# KiCad board beaglebone-ai-rev-a2.kicad_pcb (continued)
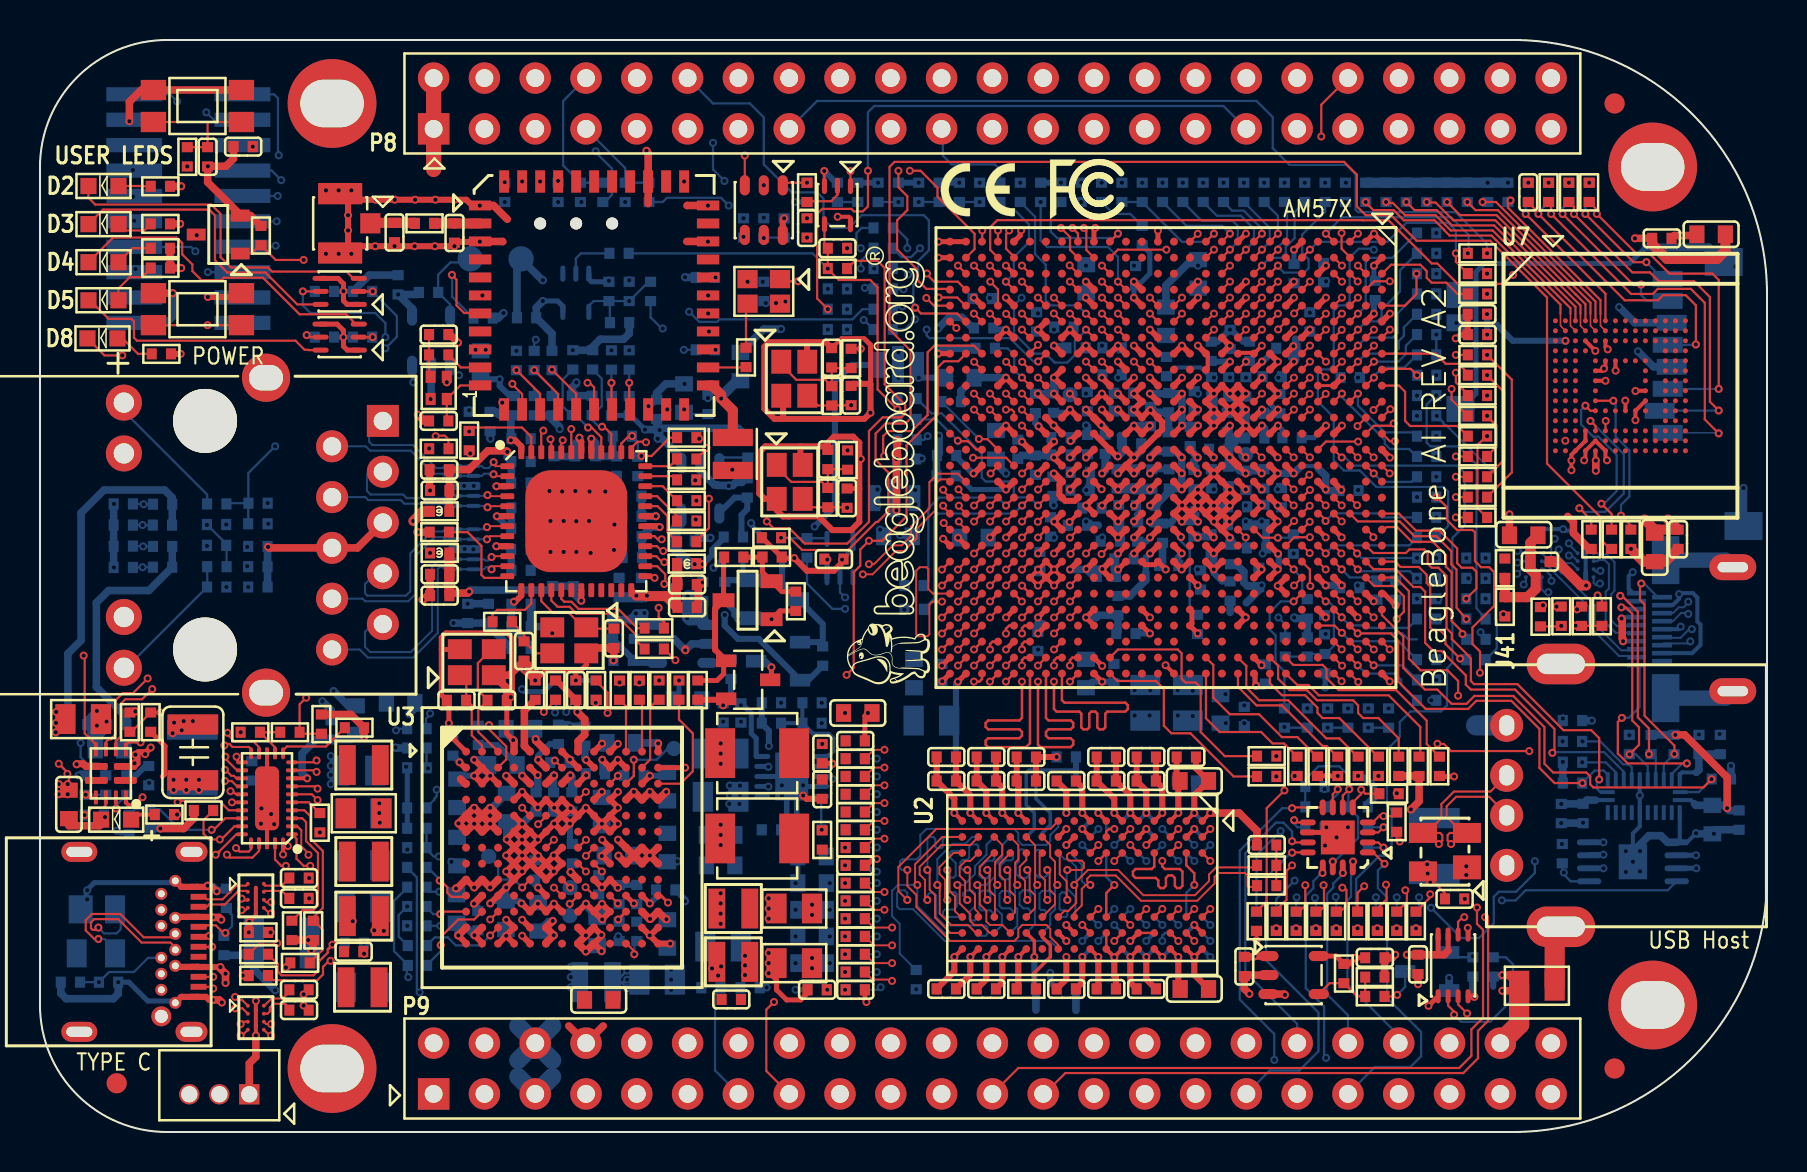
[diagram p0: board, top side]
## Routing (per net, layer and track width the routed paths; a pad name or vN(x,y) marks a point on that pad's centre or on a via; arc(x,y) is an arc through that point) (continued)
  BOTTOM w0.305: R122.1 34.56,21.87 34.16,21.48 R4.1 ; R692.1 v1(41.91,47.47) ; v1(52.3,42.53) 52.3,41.97 C161.1 ; C272.1 66.7,41.54 66.7,40.93 v1(66.7,40.93) ; C125.1 47.75,40.13 48.3,40.13 v1(48.3,40.13) ; R693.1 v1(45.97,47.47) ; R134.2 v1(51.05,47.47) ; C145.1 26.53,13.35 v1(26.53,13)
  BOTTOM w0.381: R21.1 18.84,41.88 v1(17.91,41.88) 18.61,41.18 U9.4 ; v1(23.18,40.96) 22.92,40.7 R338.1 ; v1(30.99,35.1) 30.99,34.77 v1(30.89,34.67) ; v1(30.99,35.1) 31.08,35.19 34.91,35.19 35.39,34.71 R127.1 ; v1(30.99,35.1) 30.96,35.13 ; v1(30.99,35.1) 30.89,35 v1(30.89,34.67) ; 63.91,33.2 64.29,32.82 v1(64.29,32.13) 64.35,32.08 C269.1 ; v1(30.89,34.67) 31.11,34.67 32.07,33.72 ; v1(14.68,22.05) 15.42,21.31 FB1.1 ; FB4.2 v1(76.15,20.68) ; C82.1 30.84,35.26 30.96,35.13 ; v1(25.98,35.15) 25.98,35.26 25.6,35.64 R562.1 R561.1 ; R563.1 25.6,39.93 C84.1 24.82,41.22 v1(25.15,41.55) ; v1(79.91,39.04) 80.68,38.27 J90.4 ; 30.96,35.13 v1(30.25,35.13) ; R156.1 17.81,19.2 v1(17.78,19.23) ; R80.1 v1(1.93,17.83) ; 62.96,33.2 v1(62.69,32.93) v1(61.89,32.93) ; v1(62.71,25.73) 62.76,25.68 R192.2 R169.1 ; R516.2 v1(76.1,14.4) ; C270.1 64.9,27.33 v1(64.29,27.33)
  BOTTOM w0.508: 33.1,26.54 C78.1 33.15,26.49 ; 33.1,26.54 32.82,26.82 v1(32.38,26.82) ; 33.1,26.54 32.66,26.54 v1(32.38,26.82) ; v1(32.36,25.7) 32.48,25.59 33.15,25.59 ; v1(32.36,25.7) 33.15,26.49 ; v1(32.36,25.7) 32.36,26.8 v1(32.38,26.82) ; 33.15,26.49 33.15,25.59 ; 33.15,25.59 U15.1 ; 32.07,33.72 U16.1
  vias: v1(6.86,15.88) v1(10.64,49.28) v1(19.51,28.96) v1(21.78,39.12) v1(22.29,39.12) v1(23.24,46.51) v1(29.39,6.71) v1(36.3,41.45) v1(36.8,41.45) v1(37.27,41.53) v1(38.35,44.73) v1(54.1,47.47) v1(56.13,47.47) v1(64.26,47.47) v1(69.82,28.7) v1(69.82,27.69) v1(69.82,24.64) v1(69.82,22.61) v1(69.93,25.63) v1(72.29,29.72)
VDD_5V: length 67
  TOP w0.203: v1(12.4,14.3) 12.26,14.44 U13.30 v1(12.15,13.88)
  TOP w0.254: 6.12,17.78 6.25,17.91 6.25,19.3 R59.1
  TOP w0.305: 23.31,9.83 U3.M4 v1(23.31,10.61) ; U3.J1 21.32,12.62 v1(21.71,12.23) ; U3.A9 v1(28.11,19.42) ; v1(28.08,9.05) U3.N9 28.08,9.79 v1(28.08,9.85) U3.M9 ; U3.N3 22.92,9.42 v1(23.31,9.81) U3.N4 ; U3.A10 v1(28.9,19.41)
  TOP w0.381: U3.H13 v1(30.5,13.83) ; v1(30.5,13.83) U3.G12 30.09,14.22 29.7,13.83 ; v1(30.5,13.83) 30.11,13.44 U3.H12 29.7,13.83 ; v1(30.5,13.83) 30.89,14.22 U3.G13 ; v1(31.31,17.01) 30.92,16.62 U3.D13 30.89,16.62 v1(30.5,17.01) U3.D12 30.09,16.62 v1(29.7,17.01) U3.D11 ; 26.45,5.3 P9.8 28.16,5.3 ; v1(21.71,15.41) 21.71,15.43 U3.E2 ; v1(21.71,15.41) U3.E1 ; v1(21.71,15.41) 21.7,15.41 U3.F1 21.31,15.06 v1(20.93,15.43) 21.31,15.81 U3.E1 ; v1(21.71,15.41) U3.F2 22.12,15.02 v1(22.51,15.41) ; v1(27.3,9.83) 27.69,10.22 U3.M9 ; v1(27.3,9.83) U3.M8 ; v1(27.3,9.83) 26.91,9.44 U3.N8 v1(27.3,9.03) 27.69,9.42 U3.N9 ; U3.E1 21.7,16.21 v1(21.71,16.21) U3.E2 ; v1(20.8,12.18) 20.87,12.18 U3.J1 ; U3.N6 25.31,9.45 v1(25.69,9.84) 25.31,10.22 U3.M6 v1(25.64,10.56) ; U3.E2 22.5,16.21 v1(22.51,16.21) U3.E3 22.51,15.43 v1(22.51,15.41) ; U3.E2 v1(22.51,15.41) ; U3.C5 v1(24.11,17.81) ; v1(22.51,15.41) U3.F3 ; U3.J3 v1(22.51,12.23) 22.12,12.62 U3.J2 v1(21.71,12.23) ; C489.2 60.7,8.76 v1(60.73,8.8) U40.1 ; U3.A6 25.31,19.05 24.79,19.57 v1(24.79,19.65) ; v1(28.92,13.82) 28.92,13.8 U3.H11 29.31,13.44 29.7,13.83 ; U3.L12 30.47,10.66 v1(30.51,10.66) 30.54,10.66 U3.L13 31.29,10.64 v1(31.33,10.64) ; R35.1 13.67,9.19 v1(13.56,9.09) ; v1(26.52,17.84) 26.48,17.8 26.48,17.8 U3.C7 ; v1(28.9,14.62) U3.G11 29.7,13.83 ; R41.1 v1(13.41,9.6) ; U3.C4 v1(23.31,17.81)
  SIG_L5 w0.381: v1(83.99,19.91) 83.99,19.07 82.22,17.3 82.22,14.43 v1(82.81,13.84) 82.81,13.2 v1(82.82,13.19)
  SIG_L5 w1.016: P9.7 P9.8
  PWR_L7 w0.635: 26.45,5.3 P9.8 ; P9.8 28.16,5.3 ; P9.8 26.45,3.59 ; P9.8 28.16,3.59 ; 28.16,2.76 P9.7 26.45,2.76
  BOTTOM w0.254: U48.3 v1(82.82,13.19) ; U48.2 v1(82.81,13.84)
  BOTTOM w0.305: v1(25.69,9.84) 25.12,9.84 C156.1 25.42,10.56 v1(25.64,10.56) ; R130.1 22.23,19.35 22.87,19.35 C172.1
  BOTTOM w0.381: v1(22.51,16.21) 22.61,16.21 C169.1 ; v1(26.52,17.84) 26.59,17.76 C139.1
  vias: v1(5.46,17.46) v1(6.68,17.61) v1(6.68,17.11) v1(7.32,17.61) v1(7.32,17.11) v1(7.95,17.61) v1(7.95,17.11) v1(20,8.45) v1(20,7.94) v1(20,7.43) v1(20.51,8.45) v1(20.51,7.94) v1(20.51,7.43) v1(21.02,8.45) v1(21.02,7.94) v1(21.02,7.43) v1(21.53,8.45) v1(21.53,7.94) v1(21.53,7.43) v1(28.98,22.48)
VDD_ADC: length 12.8
  TOP w0.254: U40.5 64.81,8.8 R656.2 65.48,8.41 v1(65.79,8.71) C490.1
  SIG_L5 w0.127: 57.78,4.5 P9.32
  SIG_L5 w0.254: v1(65.79,8.71) 65.79,8.69 64.49,7.39 64.49,6.76 63.02,5.28 58.62,5.28 P9.32
VDD_ADC_SEL: length 81.3
  TOP w0.203: U4.AD3 v1(48.3,43.33)
  SIG_L5 w0.127: v1(48.3,43.33) 49.43,44.45 54.1,44.45 54.47,44.82 54.47,48.37 55.37,49.28 55.5,49.4 76.15,49.4 78.36,47.19 78.36,45.64 77.72,45.01 75.79,45.01 75.02,44.23 75.02,27.03 74.72,26.73 74.72,25.11 73.33,23.72 73.33,22.71 75.18,20.85 75.18,12.75 71.65,9.22 v1(71.65,8.79)
  BOTTOM w0.127: v1(71.65,8.79) R659.1 70.71,8.74 Q17.1
VDD_CAPE_5V: length 32.6
  TOP w0.305: 4.57,18.28 4.72,18.28 4.88,18.44 4.88,18.77 v1(4.78,18.87) 4.8,18.87 4.93,19 5.31,19 v1(5.54,19.23) ; 4.57,18.28 U12.2 ; 4.57,18.28 v1(4.72,18.44)
  PWR_L7 w0.381: 23.91,2.76 P9.5 23.91,1.05 ; 23.91,5.3 P9.6 23.91,3.59
  PWR_L7 w0.635: 23.7,1.3 24.31,1.91 P9.5 24.77,2.49 24,3.25 24.77,4.01 P9.6 24.77,4.95 24.13,5.59
  BOTTOM w0.381: C34.1 4.33,20.74 2.82,22.25 2.82,26.47 3.43,27.08 5.44,27.08 R75.1 R76.1
  BOTTOM w0.889: 23.91,5.3 P9.6 ; P9.6 23.91,3.59 ; P9.6 25.62,3.59 ; P9.6 25.62,5.3 ; 25.62,2.76 P9.5 23.91,2.76
  vias: v1(5.26,18.9)
VDD_CORE: length 23.3
  TOP w0.305: U4.N13 v1(57.9,35.33) ; U4.H14 v1(61.89,33.73) ; U4.P13 v1(57.1,35.33) ; U4.T16 v1(54.71,32.13) ; U4.P11 v1(57.1,36.93) ; v1(20.98,18.49) 21.25,18.22 U3.B1 ; U4.P12 v1(57.1,36.13) ; U4.U8 v1(53.9,39.33) U4.V8 ; U4.U13 v1(54.7,35.33) U4.T13 v1(55.5,35.32) ; U4.H13 v1(61.9,35.33) ; U4.U16 v1(53.91,32.13) 53.51,32.53 U4.V16 ; U4.N10 v1(57.9,37.73) ; U4.R19 v1(55.51,29.73) ; U4.J18 60.7,30.94 v1(61.09,31.33) U4.J17 ; U4.T19 v1(54.71,29.73) ; U4.U9 v1(53.9,38.53) ; U4.R11 v1(55.5,36.93) ; U4.L7 59.1,39.72 v1(59.5,39.33) U4.L8 ; U4.AB15 v1(49.91,32.93) ; U4.R16 v1(55.51,32.13)
  BOTTOM w0.127: v1(49.91,32.93) 49.85,32.87 C138.1 49.73,32.87
  BOTTOM w0.254: v1(61.9,35.33) 62.13,35.1 C242.1
  BOTTOM w0.305: v1(57.1,36.93) 57.07,36.96 C200.1 ; C258.1 v1(20.98,18.49) ; v1(57.9,35.33) 57.85,35.27 C203.1 57.46,35.33 v1(57.1,35.33) ; C187.1 55.3,29.52 v1(55.51,29.73)
  BOTTOM w0.381: v1(57.1,35.33) v1(57.1,36.13) v1(57.1,36.93) ; v1(55.5,36.93) 56.4,36.93 C200.1 ; C190.1 55.51,35.33 v1(54.7,35.33)
  BOTTOM w0.508: C193.1 55.55,32.13 v1(55.51,32.13) v1(54.71,32.13) ; C178.1 54.72,32.18 C185.1
  vias: v1(14.54,18.8) v1(14.54,18.31) v1(14.54,17.86) v1(14.54,17.4)
VDD_DDR: length 115.4
  TOP w0.127: U2.G7 53.32,11.95 v1(53.72,12.35)
  TOP w0.152: U3.K13 31.05,11.82 v1(31.4,11.47)
  TOP w0.203: U2.C1 v1(56.92,15.95) ; v1(50.71,28.13) U4.AA21 ; v1(50.71,28.13) 50.31,28.52 U4.AB21 v1(49.91,28.13) ; v1(50.71,28.13) 51.1,27.73 U4.AA22 v1(50.71,27.33) 50.7,27.33 U4.AB22 ; v1(50.71,28.13) U4.AB22 ; U2.D9 v1(56.12,8.75) ; U4.AB22 v1(49.9,27.32) U4.AC22 v1(49.91,28.13) ; U4.AB22 50.3,27.73 v1(49.91,28.13) ; U2.R9 v1(46.52,8.75) ; U2.H9 v1(52.92,8.75) ; U2.F1 v1(53.72,15.95) ; U2.R1 v1(46.52,15.95) ; U2.B2 v1(57.72,15.15) ; U2.N9 v1(48.12,8.75) ; U2.D2 v1(55.32,14.35) ; U2.K2 v1(51.32,15.15) ; U2.A1 v1(58.52,15.95) ; U2.C9 v1(56.92,8.75) ; U2.H2 v1(52.12,15.15) ; U2.K8 v1(51.32,9.55) ; U2.E9 v1(54.52,8.75) ; U2.N1 v1(48.12,15.95) ; U2.A8 v1(57.72,10.35)
  TOP w0.254: U4.W16 v1(53.09,32.14) ; v1(39.62,18.42) 39.62,18.44 C5.1 ; U4.AH27 v1(45.1,23.32) ; C61.1 41.34,13.34 41.66,13.65 v1(41.85,13.65) ; v1(55.5,25.73) 55.5,25.73 U4.T24 ; R675.1 v1(64.9,17.81) ; U4.AB24 v1(49.91,25.73) ; U4.W27 53.11,23.32 v1(53.11,23.31) ; U4.AG20 v1(45.91,29.72) ; U4.AD26 v1(48.31,24.13) ; v1(55.5,24.93) 55.5,24.93 U4.T25 ; U4.AB25 v1(49.91,24.93) ; U4.J27 v1(61.08,23.34) ; v1(36.44,7.94) 36.58,7.94 36.58,7.86 36.83,7.61 36.83,7.11 37.34,6.6 38.04,6.6 38.38,6.95 C60.1 ; v1(70.71,17.78) 70,17.78 R672.1 ; U4.AG28 v1(45.9,22.52) ; v1(41.4,20.96) 41.25,20.8 C225.1
  TOP w0.305: U4.L20 59.08,29.33 v1(58.69,28.93) U4.M20 ; C40.1 52.92,7.24 v1(52.92,8.75) ; U4.H21 v1(61.89,28.13) 61.5,27.74 U4.H22 ; U4.H20 v1(61.91,28.92) ; v1(46.52,15.95) 46.52,16.84 C22.1 C18.1 ; v1(56.92,8.75) 56.92,7.24 C39.1 ; C230.1 48.12,7.47 v1(48.12,8.75) ; U4.G22 v1(61.89,27.31) 61.92,27.31 U4.G23 ; U4.E24 v1(64.29,25.73) ; v1(54.52,8.75) 54.52,7.47 C36.1 ; v1(46.52,8.75) 46.52,7.87 C9.1 ; U4.M21 v1(58.69,28.13) 58.71,28.13 U4.L21 ; C23.1 C213.1 50.84,18.75 v1(50.84,18.76) ; v1(56.92,15.95) 56.92,17.47 C89.1 56.84,17.73 C231.1 ; C10.1 C24.1 53.72,16.67 v1(53.72,15.95) ; C11.1 C25.1 55.32,17.07 v1(55.32,15.95) ; v1(48.12,15.95) 48.12,17.24 C19.1 C17.1
  TOP w0.381: v1(58.52,15.95) 58.52,15.95 59.97,15.95 60.86,15.06 C49.1
  SIG_L10 w0.152: v1(31.4,11.47) 31.41,11.47 31.94,12 33.15,12 33.46,12.32 35.8,12.32 v1(36.44,11.68)
  BOTTOM w0.127: U11.G7 53.32,12.75 v1(53.72,12.35)
  BOTTOM w0.203: U11.E9 v1(55.32,15.95) U11.D9 ; U2.C9 v1(56.12,8.75) ; U2.N9 v1(48.12,8.75) ; U2.K2 v1(51.32,15.15) ; U1.2 39.49,18.28 v1(39.62,18.42) ; U2.R1 v1(46.52,15.95) ; U2.C1 v1(56.92,15.95) ; U11.H2 v1(52.12,9.55) ; U11.H9 v1(52.12,15.15) ; U11.D2 v1(55.32,9.55) ; U11.A8 v1(57.72,15.15) ; U11.B2 v1(57.72,10.35) ; U11.A1 v1(58.52,8.75) ; U2.N1 v1(48.12,15.95) ; U2.K8 v1(51.32,9.55) ; U2.R9 v1(46.52,8.75) ; U11.F1 v1(54.52,8.75)
  BOTTOM w0.305: v1(55.32,15.95) 55.32,17.07 C25.1 ; C36.1 54.52,7.47 v1(54.52,8.75) ; C99.1 v1(50.84,18.76) ; v1(61.89,28.13) 61.95,28.19 61.95,28.88 v1(61.91,28.92) ; C9.1 46.52,7.87 v1(46.52,8.75) ; C462.1 R2.1 36.09,20.42 36.45,20.07 v1(36.45,19.3) ; C143.1 50.52,7.47 v1(50.52,7.95) ; v1(56.92,15.95) 56.92,17.47 C100.1 ; v1(56.92,8.75) 56.92,7.24 C39.1 ; v1(53.72,15.95) 53.72,16.67 C24.1 ; v1(52.92,8.75) 52.92,7.24 C40.1 ; v1(55.5,24.93) 55.5,24.92 C119.1 ; 45.8,20.57 45.8,22.43 v1(45.9,22.52) ; 45.8,20.57 C26.1 ; 45.8,20.57 C18.1 C22.1 46.52,16.84 v1(46.52,15.95) ; C224.1 59.11,27.53 58.69,27.95 v1(58.69,28.13) ; v1(48.12,8.75) 48.12,7.47 C230.1 ; C19.1 48.12,17.24 v1(48.12,15.95)
  BOTTOM w0.381: 50.13,25.43 C131.1 49.9,25.44 ; C211.1 58.69,28.8 v1(58.69,28.13)
  vias: v1(36.44,11.18) v1(36.44,10.67) v1(36.44,8.95) v1(36.44,8.45) v1(61.82,17.78) v1(66.93,17.81)
VDD_DIMM: length 5.3
  BOTTOM w0.305: 72.36,40.38 72.36,39.88 v1(72.37,39.88) ; 72.36,40.38 72.83,40.38 73.64,39.57 v1(76.28,39.57) ; 72.36,40.38 v1(72.36,40.9) 72.36,40.91
VDD_DSPEVE: length 24.3
  TOP w0.305: v1(59.5,36.93) U4.K10 59.9,37.32 v1(60.3,36.93) U4.K11 ; v1(59.5,36.93) U4.K11 ; v1(59.5,36.93) 59.1,37.32 U4.L10 v1(58.7,36.93) ; v1(58.7,36.93) U4.M11 v1(58.7,36.13) ; v1(58.7,36.93) 58.3,37.32 U4.M10 ; U4.K11 59.9,36.52 v1(60.3,36.13) U4.K12 ; U4.K11 v1(59.5,36.13) ; v1(59.5,36.13) 59.1,36.52 U4.L11 ; v1(59.5,36.13) U4.L12 ; v1(59.5,36.13) U4.K12 ; U4.K12 v1(60.3,35.33) ; U4.L12 v1(58.7,35.33) ; U4.L12 v1(58.7,36.13) ; v1(58.7,36.13) U4.M12 58.3,35.72 v1(58.7,35.33) ; v1(60.3,35.33) U4.K13 ; v1(60.3,35.33) U4.J13 v1(61.1,35.33) ; v1(58.7,35.33) U4.M13
  TOP w0.381: U3.K2 v1(21.7,11.42)
  SIG_L10 w0.152: v1(15.64,10.54) 16.39,11.29 17.36,11.29 18.01,11.94 19.24,11.94 19.76,11.42 v1(21.7,11.42)
  BOTTOM w0.305: v1(21.7,11.42) 21.89,11.23 C256.1
  BOTTOM w0.381: v1(61.1,35.33) 61.23,35.2 C234.1 ; v1(58.7,35.33) v1(58.7,36.13) 58.7,36.65 C215.1 ; C233.1 60.3,35.87 v1(60.3,35.33)
  vias: v1(14.54,14.29) v1(14.54,13.75) v1(14.55,13.26) v1(14.53,12.27) v1(14.54,11.75) v1(14.6,10.36)
VDD_EMMC: length 20.1
  TOP w0.203: v1(76.58,33.1) v1(76.58,33.58) 76.58,33.87 U7.P3 U7.N4 U7.M4 ; v1(77.8,33.58) 77.78,33.6 U7.P5 ; v1(78.4,39.14) 78.28,39.26 U7.C6 ; U4.K8 59.94,38.96 60.67,38.96 U4.J8 v1(61.1,39.32)
  TOP w0.381: 76.39,30.79 76.68,30.5 76.68,29.95 77.47,29.16 R188.1 ; v1(77.8,33.58) v1(77.8,33.07)
  TOP w0.508: C282.1 74.52,29.46 C285.1 74.52,28.15 74.79,27.87 74.79,27.16 74.38,26.75 R702.2 R703.2
  BOTTOM w0.508: v1(73.41,47.47) v1(72.39,47.47) R176.1 R185.1 R177.1 R186.1 R178.1 R179.1
  vias: v1(63.5,40.97) v1(75.55,31.64) v1(76.06,31.64) v1(76.57,31.64)
VDD_GPU: length 20.8
  TOP w0.305: v1(24.91,12.22) 25.31,11.83 U3.K6 ; U4.V11 v1(53.1,36.93) U4.W11 ; U4.W10 v1(52.3,37.73) ; v1(53.9,33.78) 53.87,33.81 53.82,33.81 U4.V14 U4.W13 ; U4.U12 v1(53.9,36.13) ; U4.V10 v1(53.1,37.73) ; U4.U11 v1(53.9,36.93)
  SIG_L8 w0.127: v1(14.54,8) 18.01,8 18.92,8.92 24.03,8.92 24.49,9.37 24.49,11.8 v1(24.91,12.22)
  BOTTOM w0.305: C238.1 24.74,12.39 v1(24.91,12.22)
  BOTTOM w0.381: v1(53.9,33.78) 54.1,33.99 C171.1 54.1,34.75 54.03,34.82
  vias: v1(14.54,7.49) v1(14.54,6.99) v1(14.54,6.48)
VDD_IVA: length 10.9
  TOP w0.152: U3.L11 29.3,11.02 v1(28.91,10.63)
  TOP w0.305: U4.U18 v1(53.91,30.53) 53.51,30.93 U4.V18 ; U4.U19 v1(53.91,29.73) 53.51,30.13 U4.V19
  SIG_L10 w0.152: v1(35.26,8.33) 35.2,8.33 33.86,9.68 32.87,9.68 32.32,10.23 29.31,10.23 v1(28.91,10.63)
  BOTTOM w0.381: v1(53.91,30.53) v1(53.91,29.73)
  vias: v1(35.26,8.81) v1(35.26,7.85)
VDD_MPU: length 27.7
  TOP w0.254: U3.B13 v1(32.26,18.22)
  TOP w0.305: U4.M18 v1(58.7,30.53) ; U4.M18 v1(57.9,31.32) ; U4.M18 v1(58.7,31.33) ; v1(58.7,30.53) U4.L18 ; v1(58.7,30.52) U4.L19 ; U4.M17 v1(57.9,32.13) ; U4.M17 v1(58.7,31.33) ; U4.M17 57.9,31.33 v1(57.9,31.33) ; v1(57.9,32.13) U4.M16 v1(58.7,32.93) ; v1(57.9,32.13) U4.N17 ; U4.L18 59.1,30.93 v1(59.5,31.32) ; U4.L18 v1(58.7,31.33) ; U4.L18 59.46,30.57 59.46,30.48 ; v1(58.7,31.33) U4.L17 ; U4.K18 59.46,30.48 ; 59.46,30.48 59.44,30.48 59.1,30.15 U4.L19 ; v1(58.7,32.93) U4.L16 v1(59.5,32.13) ; v1(58.7,32.93) U4.M15 ; v1(58.7,32.93) U4.L15 ; v1(59.5,32.13) U4.L17 ; v1(59.5,32.12) U4.K17 v1(59.5,31.33) ; U4.L17 v1(59.5,31.33) ; U4.P17 57.09,31.33 v1(57.11,31.33) U4.N17 ; U4.N18 57.5,30.93 v1(57.9,31.32) ; U4.N18 v1(57.9,30.53) ; U4.N18 57.1,31.33 57.1,31.33 U4.P18 v1(57.1,30.53) U4.N18 ; U4.R18 v1(55.5,30.53) ; v1(57.9,31.33) U4.N17 ; U4.L19 v1(59.5,29.73)
  SIG_L10 w0.254: v1(32.26,18.22) 33.16,17.32 v1(34.49,17.32)
  BOTTOM w0.381: 58.88,31.19 58.95,31.26 C221.1 ; C112.1 59.54,29.69 v1(59.5,29.73) ; v1(57.9,30.53) v1(57.1,30.53) ; v1(55.5,30.53) 55.6,30.43 C197.1 56.49,30.43 56.62,30.56 ; 57.66,31.14 57.7,31.1 C206.1
  vias: v1(34.49,16.87) v1(34.47,16.41) v1(35,17.32) v1(35,16.87) v1(34.98,16.41) v1(54.74,20.83) v1(55.49,20.83) v1(56.9,20.83) v1(57.65,20.8) v1(59.3,20.45) v1(59.49,30.53) v1(60.22,20.45)
VDD_RTC: length 2.9
  TOP w0.381: U3.A5 24.22,19.3 24.22,21.07 C43.1
VDD_VREF_IN: length 5.3
  BOTTOM w0.203: U1.1 39.35,18.78 39.42,18.85 39.47,18.85 39.67,19.05 39.67,19.69 39.45,19.91 38.66,19.91 R1.1 ; R2.2 R1.1 ; R1.1 C1.1
3220_ID: length 72
  TOP w0.114: v1(43.5,48.07) 44.03,48.07 44.88,47.22 44.88,46.77 46.74,44.92 46.74,44.16 U4.AG2 ; U13.27 10.95,14.05 10.62,13.72 9.49,13.72 v1(9.35,13.87) ; v1(13.31,21.72) 12.98,21.39 R47.1 13.06,19.92 R51.2
  INT_L3 w0.102: v1(43.5,48.07) 42.35,46.93 31.18,46.93 28.88,44.63 25.91,44.63 21.41,40.13 21.41,37.77 20.37,36.73 20.37,28.63 18.16,26.42 16.18,26.42 15.09,25.32 14.35,25.32 13.82,24.79 13.82,22.63 13.31,22.12 v1(13.31,21.72) 13.31,21.48 10.46,18.63 10.46,16.1 10.12,15.75 8.33,15.75 8,15.42 8,14.81 8.56,14.25 8.97,14.25 v1(9.35,13.87)
/ADC_TF_Debug/UART1_RX: length 75.2
  TOP w0.114: U46.2 70.41,6.32 70.71,6.02 v1(70.71,5.87)
  INT_L3 w0.102: J92.2 9.91,0.94 70.92,0.94 71.35,1.37 71.35,5.28 70.82,5.82 70.76,5.82 v1(70.71,5.87)
  BOTTOM w0.114: R708.1 73.3,8.74 73.66,8.38 73.66,6.65 72.52,5.51 71.07,5.51 v1(70.71,5.87)
/ADC_TF_Debug/UART1_TX: length 70.6
  TOP w0.114: v1(71.36,5.93) 70.92,6.38 70.92,6.78 U46.3
  INT_L3 w0.102: J92.3 8.64,0.71 71.02,0.71 71.58,1.27 71.58,5.72 v1(71.36,5.93)
/AM572x Interfaces/AM572x Interface 1/MII0_TX_CLK: length 11.7
  TOP w0.114: U4.W9 v1(52.3,38.53)
  SIG_L10 w0.102: v1(43.75,40.64) 46.41,40.64 46.52,40.53 50.08,40.53 50.32,40.29 50.32,40.01 50.59,39.73 50.87,39.73 51.1,39.5 51.1,39.14 51.32,38.92 51.66,38.92 52.06,38.53 v1(52.3,38.53)
  BOTTOM w0.114: R97.1 43.24,40.13 v1(43.75,40.64)
/AM572x Interfaces/AM572x Interface 1/MII0_TX_EN: length 13.1
  TOP w0.114: U4.V9 v1(53.1,38.53)
  SIG_L10 w0.102: v1(53.1,38.53) 52.86,38.53 52.45,38.93 52.11,38.93 51.89,39.15 51.89,39.47 51.63,39.73 51.39,39.73 51.13,39.99 51.13,40.3 50.92,40.51 50.61,40.51 50.33,40.79 50.33,41.12 50.1,41.35 44.15,41.35 43.87,41.63 43.47,41.63 v1(43.13,41.29)
  BOTTOM w0.114: v1(43.13,41.29) 42.74,41.29 42.65,41.2 R96.1
/AM572x Interfaces/AM572x Interface 1/MII0_TXD0: length 14.6
  TOP w0.114: U4.U6 v1(53.9,40.93)
  SIG_L10 w0.102: v1(43.37,44.2) 43.75,44.58 44.32,44.58 44.77,44.13 45.37,44.13 45.59,43.91 50,43.91 51.03,42.88 51.68,42.88 51.92,42.64 51.92,42.31 52.08,42.15 52.38,42.15 52.67,41.86 52.67,41.55 52.89,41.33 53.51,41.33 53.9,40.94 v1(53.9,40.93)
  BOTTOM w0.114: R92.1 42.71,45.27 42.74,45.27 43.37,44.64 v1(43.37,44.2)
/AM572x Interfaces/AM572x Interface 1/MII0_TXD1: length 13.3
  TOP w0.114: U4.V6 v1(53.1,40.93)
  SIG_L10 w0.102: v1(44.01,44.2) 44.01,43.98 44.65,43.33 45.24,43.33 45.59,43.68 49.77,43.68 50.65,42.8 51.32,42.13 51.61,42.13 51.89,41.85 51.89,41.56 52.1,41.35 52.4,41.35 52.83,40.93 v1(53.1,40.93)
  BOTTOM w0.114: R93.1 43.09,43.75 43.56,43.75 v1(44.01,44.2)
/AM572x Interfaces/AM572x Interface 1/MII0_TXD2: length 13.8
  TOP w0.114: U4.U7 v1(53.9,40.13)
  SIG_L10 w0.102: v1(43.41,42.88) 43.73,42.55 45.93,42.55 46.35,42.97 49.97,42.97 51.06,41.88 51.06,41.6 51.32,41.34 51.61,41.34 51.9,41.05 51.9,40.78 52.16,40.52 53.51,40.52 v1(53.9,40.13)
  BOTTOM w0.114: R94.1 43.1,43.18 v1(43.41,42.88)
/AM572x Interfaces/AM572x Interface 1/MII0_TXD3: length 12.7
  TOP w0.114: U4.V7 v1(53.1,40.13)
  SIG_L10 w0.102: v1(43.18,42.14) 50.05,42.14 50.26,41.93 50.26,41.54 50.51,41.29 50.86,41.29 51.13,41.02 51.13,40.76 51.33,40.56 51.59,40.56 51.86,40.29 51.86,40.01 52.12,39.75 52.44,39.75 52.82,40.13 v1(53.1,40.13)
  BOTTOM w0.114: v1(43.18,42.14) 42.67,42.14 R95.1
/AM572x Interfaces/AM572x Interface 1/PR2_MII0_RXD2: length 8.5
  TOP w0.114: v1(71.13,24.9) 71.12,24.99 71.12,25.02 70.59,25.55 70.59,27.99 70.31,28.27 70.31,28.85 69.65,29.51 68.61,29.51 67.87,30.25 67.34,30.25 67.21,30.13 U4.A19
  BOTTOM w0.114: R608.1 71.32,24.71 v1(71.13,24.9)
/AM572x SYSTEM/MR_L: length 29.8
  TOP w0.114: v1(35.24,48.83) 35.24,47.35 U10.3
  SIG_L10 w0.102: v1(35.24,48.83) 34.85,48.44 11.07,48.44 10.81,48.7 7.75,48.7 7.37,48.32 v1(7.37,48.29)
/AM572x SYSTEM/OSC0_IN: length 11.5
  TOP w0.114: U4.AE15 47.9,33.3 v1(47.54,32.93) ; v1(40.36,31.22) 40.34,31.24 R11.2 38.56,31.24 X7.3
  INT_L3 w0.102: v1(47.54,32.93) 47.14,32.54 46.05,32.54 45.57,33.02 44.63,33.02 44.15,32.54 43.69,32.54 42.1,30.95 41.24,30.95 40.97,31.22 v1(40.36,31.22)
/AM572x SYSTEM/OSC0_OUT: length 9.1
  TOP w0.114: v1(46.66,33.72) 48.31,33.72 U4.AD15
  SIG_L5 w0.102: v1(46.66,33.72) 44.72,33.72 44.28,34.16 42.82,34.16 42.68,34.02 42.14,34.57 41.43,34.57 40.94,34.09 v1(40.39,34.09)
/AM572x SYSTEM/OSC1_IN: length 13.1
  TOP w0.114: U4.AC15 v1(49.11,32.93) ; X8.3 38.91,36.33 R12.2 v1(40.56,36.35)
  SIG_L5 w0.102: v1(40.56,36.35) 41.92,34.99 43.5,34.99 44.07,34.42 44.86,34.42 45.15,34.12 48.29,34.12 49.11,33.31 v1(49.11,32.93)
/AM572x SYSTEM/OSC1_OUT: length 12.1
  TOP w0.114: R15.2 v1(41.05,39.17) ; U4.AC13 v1(49.1,35.33)
  SIG_L5 w0.102: v1(41.05,39.17) 41.05,37.38 42.67,35.75 47.23,35.75 48.03,34.95 48.73,34.95 v1(49.1,35.33)
/AM572x SYSTEM/PORZ: length 6.7
  TOP w0.114: S1.4 8.38,50.51 ; 8.38,50.51 C321.1 R595.2 ; 8.38,50.51 S1.2
/AM572x SYSTEM/PORZn: length 52.2
  TOP w0.114: U4.F22 v1(62.71,27.33) ; R70.2 40.75,43.57 41.88,43.57 42.24,43.21 42.24,37.39 43.26,36.37 43.26,35.92 43.08,35.74 42.14,35.74 41.45,35.05 41.45,30.51 40.37,29.43 38.24,29.43 37.49,30.18 36.7,30.18 v1(36.35,30.53)
  SIG_L5 w0.102: v1(62.71,27.33) 62.29,27.75 62.29,29.04 61.99,29.34 46.48,29.34 46,28.85 41.25,28.85 39.37,30.73 36.68,30.73 36.47,30.53 v1(36.35,30.53)
/AM572x SYSTEM/RESETn: length 5.7
  TOP w0.102: U4.E23 v1(64.29,26.53)
  BOTTOM w0.114: v1(64.29,26.53) 64.43,26.53 64.7,26.26 64.7,24.31 64.29,23.9 C267.1 63.45,23.9 R169.2 R642.1
/AM572x SYSTEM/RSTN: length 2.1
  TOP w0.114: U6.2 39.88,46.86 39.56,46.55 38.39,46.55 R83.1
/AM572x SYSTEM/RSTOUTn: length 33.8
  TOP w0.114: v1(62.69,26.53) 63.08,26.92 U4.F23
  SIG_L5 w0.102: v1(40.26,26.73) 40.64,26.73 40.75,26.62 43.76,26.62 44.3,27.15 44.3,28.37 44.48,28.55 61.24,28.55 61.53,28.26 61.53,26.99 61.98,26.53 v1(62.69,26.53)
  BOTTOM w0.114: U8.2 40,26.99 v1(40.26,26.73) ; R57.1 62.23,23.04 61.79,23.48 61.79,24.83 61.49,25.12 61.49,25.98 62.04,26.53 v1(62.69,26.53)
/AM572x SYSTEM/RTC_PORZn: length 23
  TOP w0.114: v1(42.88,36.14) 41.88,37.13 41.88,42.24 41.52,42.61 39.94,42.61 39.4,43.15 v1(39.4,43.18) C80.1 39.23,44.36 U6.4
  BOTTOM w0.114: R89.2 v1(42.88,36.14) R90.2 ; v1(39.4,43.18) 38.63,43.94 R680.1
/AM572x SYSTEM/SYS_WARMRESETn: length 65.4
  SIG_L8 w0.102: v1(61.93,25.73) 61.29,25.73 59.49,27.53 59.49,29.22 59.12,29.59 59.12,29.86 58.88,30.1 58.61,30.1 58.29,30.42 58.29,30.67 58.04,30.92 57.78,30.92 57.53,31.18 57.53,31.5 57.28,31.75 56.77,31.75 56.01,32.51 55.37,32.51 55.12,32.77 55.12,33.08 54.86,33.34 54.55,33.34 54.25,33.63 54.25,33.96 53.64,34.57 52.15,34.57 51.79,34.93 48.18,34.93 47.4,35.71 46.58,35.71 45.89,36.41 43.11,36.41 43.02,36.5 42.47,36.5 41.81,37.16 40.22,37.16 39.46,37.16 39.46,37.16 34.77,37.16 34.21,37.72 33.22,37.72 32.59,38.35 32.07,38.35 30.35,40.07 22.54,40.07 22.07,40.54 12.7,40.54 10.24,43 v1(8.39,43)
  BOTTOM w0.114: v1(61.93,25.73) 62.27,25.38 R642.2 ; P2.15 v1(8.39,43)
/DDR/DDR Part 1/DDR1_D0: length 32.5
  TOP w0.127: U4.AF25 v1(46.71,24.93)
  SIG_L5 w0.121: v1(46.71,24.93) 46.71,24.65 46.84,24.52 47.1,24.52 47.22,24.64 47.22,24.84 47.35,24.96 47.79,24.96 47.92,24.84 47.92,24.64 48.05,24.52 48.56,24.52 48.68,24.39 48.68,24.01 48.97,23.72 49.25,23.72 49.5,23.48 49.5,23.06 49.63,22.93 50.97,22.93 51.1,22.8 51.1,22.23 50.97,22.1 49.19,22.1 49.06,21.98 49.06,21.79 49.19,21.66 51.41,21.66 51.54,21.53 51.54,19.69 51.67,19.56 53.07,19.56 53.19,19.44 53.19,18.17 53.32,18.04 55.03,18.04 55.16,17.91 55.16,17.34 55.29,17.22 55.56,17.22 55.7,17.07 55.7,14.96 55.5,14.75 55.17,14.75 54.9,14.49 54.9,14.16 54.71,13.98 54.38,13.98 54.13,13.73 54.13,13.28 54.26,13.15 54.84,13.15 54.97,13.02 54.97,12.64 55.1,12.52 56.3,12.52 56.43,12.39 56.43,12.2 56.3,12.07 55.4,12.07 55.29,11.96 55.29,11.8 55.4,11.69 55.61,11.69 55.73,11.56 55.73,10.99 55.32,10.58 v1(55.32,10.35)
  BOTTOM w0.127: U11.E3 v1(55.32,10.35)
/DDR/DDR Part 1/DDR1_D1: length 32.5
  TOP w0.127: U4.AF26 v1(46.71,24.13)
  SIG_L5 w0.121: v1(53.72,10.35) 54.13,10.76 54.79,10.76 54.95,10.93 54.95,12.03 54.59,12.4 54.59,12.64 54.46,12.77 53.83,12.77 53.32,13.28 53.32,13.75 53.52,13.95 53.88,13.95 54.12,14.19 54.12,14.55 54.32,14.75 54.67,14.75 54.91,14.99 54.91,15.34 54.7,15.54 54.39,15.54 54.12,15.81 54.12,16.2 54.28,16.36 54.78,16.36 54.9,16.48 54.9,16.65 54.78,16.77 53.64,16.77 53.51,16.9 53.51,17.09 53.64,17.22 54.65,17.22 54.78,17.34 54.78,17.53 54.65,17.66 52.94,17.66 52.81,17.79 52.81,19.06 52.68,19.18 52.49,19.18 52.37,19.06 52.37,17.79 52.24,17.66 52.05,17.66 51.92,17.79 51.92,18.17 51.8,18.29 51.35,18.29 51.22,18.42 51.22,18.61 51.35,18.74 51.8,18.74 51.92,18.87 51.92,19.06 51.8,19.18 51.29,19.18 51.16,19.31 51.16,21.15 51.03,21.28 48.81,21.28 48.68,21.41 48.68,23.5 48.46,23.72 47.11,23.72 v1(46.71,24.13)
  BOTTOM w0.127: U11.F2 v1(53.72,10.35)
/DDR/DDR Part 1/DDR1_D2: length 32.7
  TOP w0.127: U4.AG26 v1(45.9,24.12)
  SIG_L5 w0.121: v1(52.12,14.35) 52.52,14.75 53.12,14.75 53.32,14.95 53.32,15.33 53.08,15.57 52.78,15.57 52.52,15.83 52.52,15.95 52.52,16.74 52.37,16.9 51.41,16.9 47.92,20.39 47.92,21.15 47.79,21.28 45.19,21.28 45.06,21.41 45.06,21.98 45.19,22.1 45.38,22.1 45.51,22.23 45.51,22.8 45.38,22.94 44.82,22.94 44.68,22.8 44.68,21.41 44.56,21.28 44.37,21.28 44.24,21.41 44.24,22.8 44.11,22.93 43.92,22.93 43.79,22.8 43.79,21.41 43.67,21.28 43.48,21.28 43.35,21.41 43.35,22.8 43.22,22.93 43.03,22.93 42.91,22.8 42.91,21.41 42.78,21.28 42.59,21.28 42.46,21.41 42.46,23.25 42.59,23.37 44.49,23.37 44.81,23.69 45.51,23.69 45.9,24.09 v1(45.9,24.12)
  BOTTOM w0.127: U11.H7 v1(52.12,14.35)
/DDR/DDR Part 1/DDR1_D3: length 32.8
  TOP w0.127: U4.AH26 v1(45.1,24.12)
  SIG_L5 w0.121: v1(45.1,24.12) 45.1,24.39 44.98,24.52 44.62,24.52 44.49,24.39 44.49,23.88 44.37,23.76 44.18,23.76 44.05,23.88 44.05,24.39 43.92,24.52 43.73,24.52 43.6,24.39 43.6,23.88 43.48,23.76 43.29,23.76 43.16,23.88 43.16,24.39 43.03,24.52 42.84,24.52 42.71,24.39 42.71,23.88 42.59,23.76 42.4,23.76 42.27,23.88 42.27,24.39 42.14,24.52 41.95,24.52 41.83,24.39 41.83,23.69 41.7,23.57 41.51,23.57 41.38,23.69 41.38,24.39 41.25,24.52 41.06,24.52 40.94,24.39 40.94,23.25 41.06,23.12 41.95,23.12 42.08,22.99 42.08,22.8 41.95,22.68 41.06,22.68 40.94,22.55 40.94,22.36 41.06,22.23 41.95,22.23 42.08,22.1 42.08,21.91 41.95,21.79 41.06,21.79 40.94,21.66 40.94,21.47 41.06,21.34 41.95,21.34 42.08,21.22 42.08,21.03 42.21,20.9 46.95,20.9 51.73,16.11 51.73,15.79 51.96,15.56 52.24,15.56 52.65,15.15 v1(52.92,15.15)
  BOTTOM w0.127: U11.H8 v1(52.92,15.15)
